# Allegro board reServer industrial J401 Carrier Board v11.brd (continued)
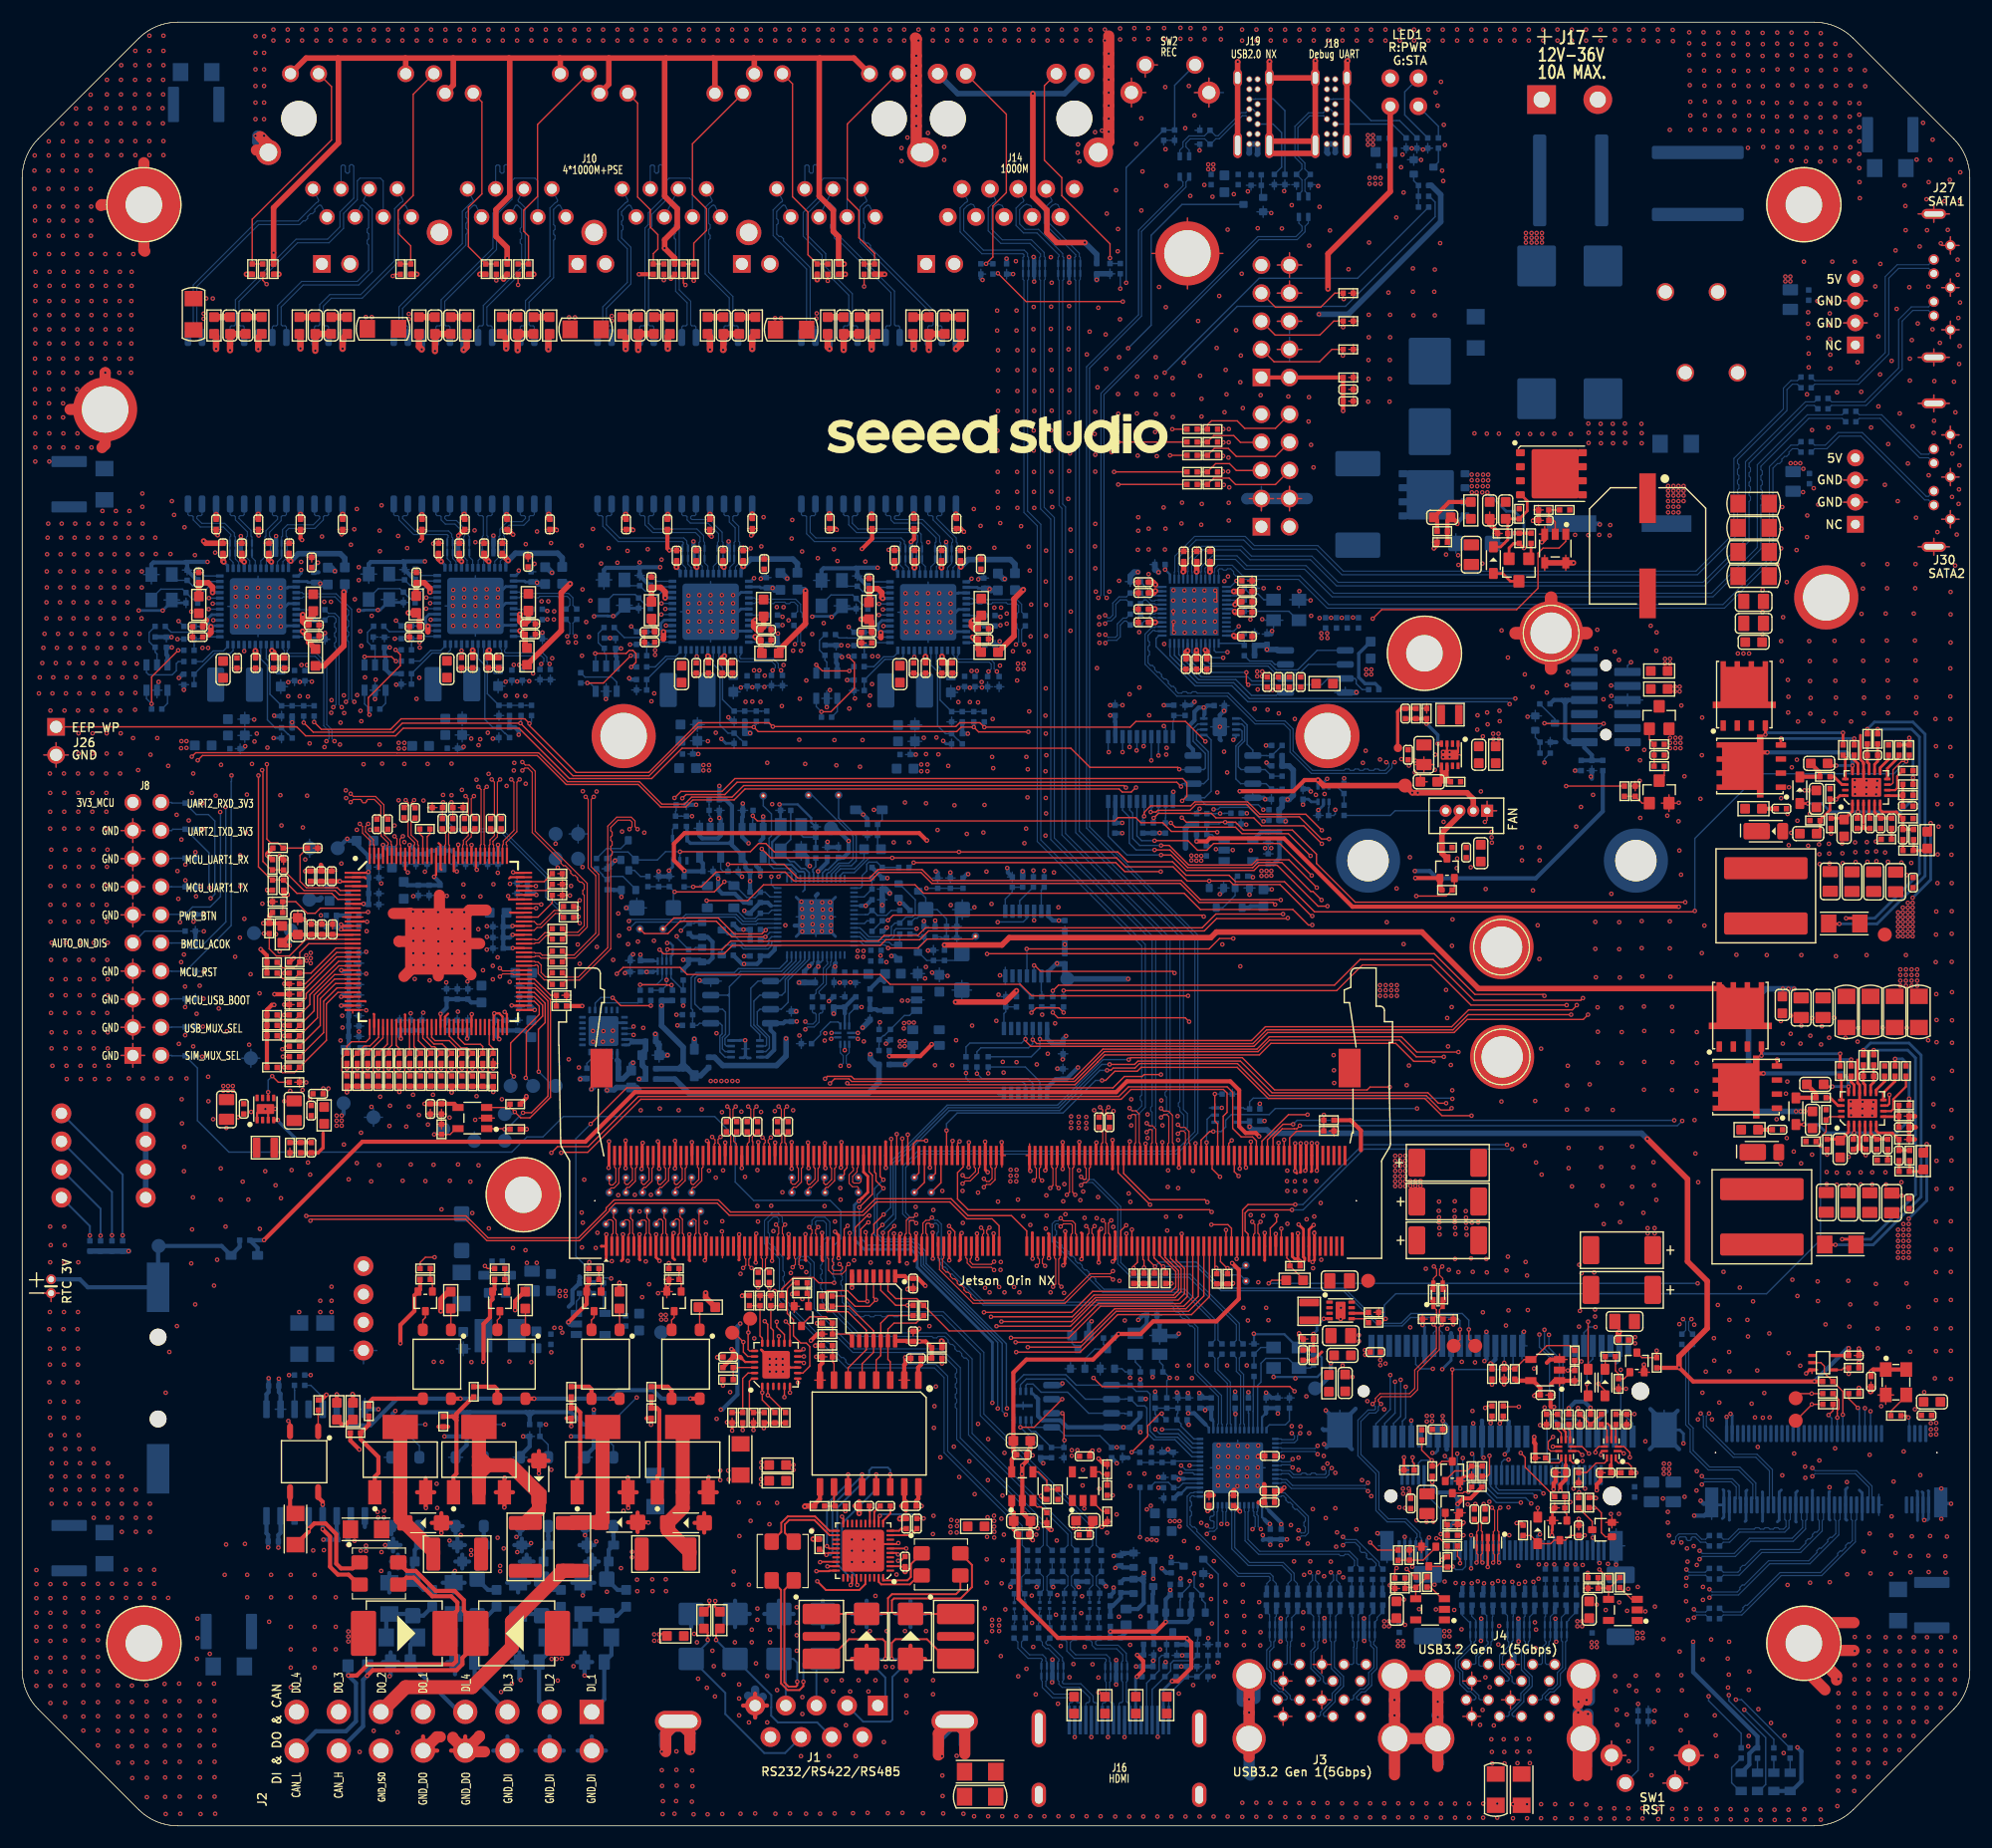
[diagram p0: board, top side]
## Routing (per net, layer and track width the routed paths; a pad name or vN(x,y) marks a point on that pad's centre or on a via; arc(x,y) is an arc through that point) (continued)
  LAY4 w0.084: v1(54.88,90.07) 55.13,90.32 55.13,90.73 58.61,94.21 61.81,94.21 67.78,100.18 86.5,100.18 87.58,101.26 87.58,104.06 v1(87.32,104.32)
  BOTTOM w0.107: U71.26 84.12,105.82 84.24,105.7 84.24,105.43 84.5,105.16 87.39,105.16 87.57,104.99 87.57,104.56 v1(87.32,104.32) 87.32,104.27 87.24,104.19 R537.1
DPCIE1_REFCLK3_P: length 66.5
  TOP w0.107: v1(55.61,90.07) 55.38,90.3 55.38,90.82 55.04,91.15 53.73,91.15 52.92,90.34 52.92,79.36 50.25,76.7 49.21,76.7 R528.1
  LAY4 w0.084: v1(88.08,104.32) 87.82,104.06 87.82,101.16 86.6,99.94 67.88,99.94 61.91,93.97 58.71,93.97 55.36,90.63 55.36,90.32 v1(55.61,90.07)
  BOTTOM w0.107: R536.1 88.28,104.07 88.08,104.27 v1(88.08,104.32) 87.83,104.56 87.83,105.1 87.5,105.43 84.61,105.43 84.5,105.54 84.5,105.7 84.62,105.82 U71.25
DPCIE1_RX1_N: length 29.4
  TOP w0.107: U63.98 43.41,88.62 43.47,88.69 43.47,88.99 44.44,89.96 44.44,94.32 v1(44.2,94.57)
  LAY4 w0.084: v1(47.46,109.03) 47.19,109.29 46.91,109.29 46.56,108.95 46.56,107.75 48.53,105.77 48.53,104.14 47.55,103.16 47.55,94.63 46.21,93.29 44.9,93.29 44.46,93.74 44.46,94.31 v1(44.2,94.57)
  BOTTOM w0.107: v1(47.46,109.03) 47.43,109.01 C133.1
DPCIE1_RX1_P: length 29.3
  TOP w0.107: U63.97 43.81,88.62 43.74,88.69 43.74,88.88 44.71,89.85 44.71,94.32 v1(44.95,94.57)
  LAY4 w0.084: v1(47.46,109.79) 47.19,109.53 46.81,109.53 46.32,109.04 46.32,107.65 48.3,105.67 48.3,104.24 47.31,103.25 47.31,95.59 47.19,95.46 47.19,95.16 47.31,95.03 47.31,94.72 46.73,94.14 46.55,94.14 46.33,93.92 46.33,93.74 46.11,93.53 45,93.53 44.69,93.83 44.69,94.31 v1(44.95,94.57)
  BOTTOM w0.107: v1(47.46,109.79) 47.46,109.84 47.35,109.95 C115.1
DPCIE1_RX2_N: length 48.9
  TOP w0.107: U63.103 41.41,88.62 41.47,88.69 41.47,93.65 v1(41.23,93.9)
  LAY4 w0.084: v1(41.23,93.9) 41.49,93.64 41.49,92.23 42.15,91.57 48.33,91.57 49.34,92.59 49.34,102.18 54.48,107.32 64.74,107.32 65.5,108.08 67.17,108.08 67.86,108.77 68.45,108.77 v1(68.71,108.51)
  BOTTOM w0.107: v1(68.71,108.51) 68.68,108.48 C231.1
DPCIE1_RX2_P: length 48.9
  TOP w0.107: v1(41.99,93.9) 41.74,93.65 41.74,88.69 41.81,88.62 U63.102
  LAY4 w0.084: v1(41.99,93.9) 41.73,93.64 41.73,93.3 41.85,93.18 41.85,92.87 41.73,92.75 41.73,92.33 42.25,91.81 42.55,91.81 42.68,91.93 42.99,91.93 43.11,91.81 48.23,91.81 49.11,92.68 49.11,102.28 54.38,107.55 64.64,107.55 65.4,108.32 67.08,108.32 67.76,109 68.45,109 v1(68.71,109.26)
  BOTTOM w0.107: C230.1 68.6,109.42 68.71,109.31 v1(68.71,109.26)
DPCIE1_RX3_N: length 66.1
  TOP w0.107: v1(34.4,89.43) 34.14,89.17 34.14,88.69 34.21,88.62 U63.121
  LAY4 w0.084: v1(88.4,108.5) 88.14,108.76 86.86,108.76 86.02,107.92 85.08,107.92 84.39,107.23 75.96,107.23 75.84,107.11 75.53,107.11 75.4,107.23 75.1,107.23 74.97,107.11 74.67,107.11 74.54,107.23 74.08,107.23 73.95,107.11 73.64,107.11 73.52,107.23 73.21,107.23 73.09,107.11 72.78,107.11 72.65,107.23 72.35,107.23 72.13,107.02 72.13,106.84 71.92,106.62 71.74,106.62 68.42,103.31 64.77,103.31 51.47,90.01 38.88,90.01 38.75,89.89 38.45,89.89 38.32,90.01 37.63,90.01 37.51,89.89 37.2,89.89 37.08,90.01 36.42,90.01 36.29,89.89 35.98,89.89 35.86,90.01 35.32,90.01 35.2,89.89 34.89,89.89 34.76,90.01 34.27,90.01 34.14,89.88 34.14,89.69 v1(34.4,89.43)
  BOTTOM w0.107: v1(88.4,108.5) 88.34,108.44 C491.1
DPCIE1_RX3_P: length 66
  TOP w0.107: v1(33.64,89.43) 33.87,89.2 33.87,88.69 33.81,88.62 U63.122
  LAY4 w0.084: v1(88.4,109.26) 88.14,108.99 86.76,108.99 85.92,108.16 84.98,108.16 84.29,107.47 72.25,107.47 68.32,103.54 64.67,103.54 53.82,92.69 53.64,92.69 53.42,92.48 53.42,92.3 53.21,92.08 53.03,92.08 52.81,91.87 52.81,91.69 52.6,91.47 52.42,91.47 52.2,91.25 52.2,91.08 51.99,90.86 51.81,90.86 51.59,90.64 51.59,90.46 51.38,90.25 34.18,90.25 33.91,89.98 33.91,89.69 v1(33.64,89.43)
  BOTTOM w0.107: C490.1 88.29,109.38 88.4,109.27 v1(88.4,109.26)
DPCIE1_TX1_N: length 30.7
  TOP w0.107: C394.2 42.68,91.36 42.68,94.32 v1(42.43,94.56)
  LAY4 w0.084: v1(49.25,107.49) 49.51,107.75 49.51,107.91 49.43,108 48.78,108 48.51,107.72 48.51,107.04 48.72,106.82 48.9,106.82 49.12,106.61 49.12,106.43 49.39,106.15 49.39,105.84 49.52,105.72 49.52,105.41 49.39,105.29 49.39,104.98 49.52,104.85 49.52,104.55 49.39,104.42 49.39,103.61 48.48,102.69 48.48,93.32 47.56,92.4 43.43,92.4 42.69,93.14 42.69,94.3 v1(42.43,94.56)
  BOTTOM w0.107: C291.1 49.5,108.69 49.5,107.73 v1(49.25,107.49)
DPCIE1_TX1_P: length 30.7
  TOP w0.107: C393.2 42.95,91.36 42.95,94.32 v1(43.19,94.56)
  LAY4 w0.084: v1(43.19,94.56) 42.93,94.3 42.93,93.24 43.53,92.64 43.84,92.64 43.96,92.76 44.27,92.76 44.4,92.64 44.7,92.64 44.83,92.76 45.13,92.76 45.26,92.64 45.64,92.64 45.76,92.76 46.07,92.76 46.19,92.64 47.46,92.64 48.24,93.42 48.24,102.79 49.16,103.7 49.16,106.05 48.27,106.94 48.27,107.82 48.68,108.23 49.53,108.23 49.75,108.01 49.75,107.75 v1(50.01,107.49)
  BOTTOM w0.107: C290.1 49.77,108.69 49.77,107.73 v1(50.01,107.49)
DPCIE1_TX2_N: length 49.2
  TOP w0.107: C392.2 40.32,91.36 40.32,92.82 v1(40.07,93.06)
  LAY4 w0.084: v1(69.83,106.78) 70.09,107.04 70.09,107.47 69.9,107.67 69.5,107.67 69.29,107.45 69.29,107.27 69.07,107.05 68.89,107.05 68.03,106.19 58.71,106.19 57.65,105.13 54.67,105.13 54.46,104.91 54.46,104.73 54.24,104.51 54.06,104.51 53.85,104.3 53.85,104.12 53.63,103.9 53.45,103.9 53.24,103.69 53.24,103.51 53.02,103.29 52.84,103.29 50.19,100.64 50.19,92.11 48.86,90.78 41.09,90.78 40.33,91.54 40.33,92.8 v1(40.07,93.06)
  BOTTOM w0.107: v1(69.83,106.78) 70.08,107.02 70.08,108.15 C296.1
DPCIE1_TX2_P: length 49.1
  TOP w0.107: C391.2 40.58,91.36 40.58,92.82 v1(40.83,93.06)
  LAY4 w0.084: v1(70.59,106.78) 70.33,107.04 70.33,107.57 70,107.9 69.41,107.9 67.93,106.43 58.62,106.43 57.55,105.36 54.58,105.36 49.95,100.74 49.95,92.21 48.76,91.02 43.78,91.02 43.65,91.15 43.35,91.15 43.22,91.02 42.92,91.02 42.79,91.15 42.49,91.15 42.36,91.02 42.05,91.02 41.92,91.15 41.62,91.15 41.49,91.02 41.19,91.02 40.57,91.64 40.57,92.8 v1(40.83,93.06)
  BOTTOM w0.107: v1(70.59,106.78) 70.34,107.02 70.34,108.15 C232.1
DPCIE1_TX3_N: length 77.2
  TOP w0.107: C390.2 35.51,92.02 35.4,92.13 35.28,92.13 35.17,92.24 35.17,92.45 v1(35.42,92.69)
  LAY4 w0.084: v1(35.42,92.69) 35.13,92.98 35.13,93.25 34.83,93.56 33.45,93.56 32.72,92.83 32.72,89.08 34.08,87.73 50.71,87.73 63.69,100.71 63.87,100.71 64.08,100.92 64.08,101.1 64.3,101.32 64.48,101.32 64.69,101.53 64.69,101.71 65.03,102.05 68.34,102.05 72.36,106.07 86.07,106.07 87.47,107.47 89.88,107.47 90.06,107.29 90.06,107.01 v1(89.8,106.75)
  BOTTOM w0.107: v1(89.8,106.75) 90.05,107 90.05,108.1 C493.1
DPCIE1_TX3_P: length 77
  TOP w0.107: v1(34.66,92.69) 34.9,92.45 34.9,92.26 34.77,92.13 34.63,92.13 C389.2
  LAY4 w0.084: v1(34.66,92.69) 34.9,92.93 34.9,93.15 34.73,93.32 34.42,93.32 34.3,93.2 33.99,93.2 33.86,93.32 33.55,93.32 32.96,92.73 32.96,92.33 33.09,92.2 33.09,91.9 32.96,91.77 32.96,91.47 33.09,91.34 33.09,91.04 32.96,90.91 32.96,90.6 33.09,90.48 33.09,90.17 32.96,90.05 32.96,89.18 34.18,87.96 46.91,87.96 47.03,88.09 47.34,88.09 47.46,87.96 47.77,87.96 47.9,88.09 48.2,88.09 48.33,87.96 48.72,87.96 48.84,88.09 49.15,88.09 49.28,87.96 49.58,87.96 49.71,88.09 50.01,88.09 50.14,87.96 50.61,87.96 64.94,102.29 68.24,102.29 72.26,106.31 85.98,106.31 87.37,107.71 89.98,107.71 90.3,107.39 90.3,107.01 v1(90.56,106.75)
  BOTTOM w0.107: v1(90.56,106.75) 90.31,107 90.31,108.1 C492.1
DWNRST1_L: length 44.6
  TOP w0.127: U63.5 28.74,84.53 28.49,84.78 25.69,84.78 25.11,85.36 25.11,87.69 C399.1 R517.2 23.57,88.37 23.11,88.83 22.47,88.83 22.12,89.18 v1(22.12,95.94)
  LAY3 w0.127: v1(22.12,95.94) 27.93,95.94 34.43,102.44 34.43,107.11 35.42,108.1 35.42,109.9 v1(36.52,110.99)
  BOTTOM w0.127: U30.44 v1(36.52,110.99)
DWNRST2_L: length 62.6
  TOP w0.127: v1(21.68,95.4) 21.76,95.33 21.76,87.15 22.52,86.39 R516.2 23.11,86.39 23.14,86.37 C398.1 25.47,84.53 28.29,84.53 28.69,84.13 U63.6
  LAY3 w0.127: v1(21.68,95.4) 28.03,95.4 33.28,100.65 50.42,100.65 55.9,106.12 55.9,108.99 57.37,110.47 v1(57.77,110.47)
  BOTTOM w0.127: U48.44 v1(57.77,110.47)
DWNRST3_L: length 85.3
  TOP w0.127: U63.7 28.53,83.73 27.98,84.27 24.83,84.27 C397.1 R515.2 22.55,85.47 21.35,86.67 v1(21.35,94.92)
  LAY3 w0.127: v1(21.35,94.92) 39.18,94.92 41.68,97.42 49.56,97.42 52.06,94.92 64.4,94.92 76.4,106.92 76.4,109.83 76.99,110.42 v1(77.43,110.42)
  BOTTOM w0.127: U71.44 v1(77.43,110.42)
EECLK: length 19.8
  TOP w0.127: U63.70 46.33,75.73 47.51,74.54 47.51,65.94 46.02,64.44 v1(45.25,64.44) ; 41.79,63.01 U65.1 43.54,63.01 v1(43.59,62.96) R458.2
  BOTTOM w0.127: TP68.1 43.59,61.94 v1(43.59,62.96) 43.77,62.96 v1(45.25,64.44)
EEP_EECLK: length 5
  BOTTOM w0.127: U37.4 11.24,104.23 11.45,104.02 13.56,104.02 13.94,104.4 13.94,105.03 14.12,105.22 R221.2
EEP_EECLK_31552004: length 4.2
  TOP w0.127: v1(30.94,105.65) 33.38,105.65 v1(33.78,105.25)
  BOTTOM w0.127: R416.2 34.25,105.25 v1(33.78,105.25) ; U52.4 v1(30.94,105.65)
EEP_EECLK_31557371: length 6.9
  TOP w0.127: v1(55.03,104.72) 55.47,105.16 55.47,105.94 55.19,106.22 54.85,106.22 54.58,105.95 v1(51.78,105.95)
  BOTTOM w0.127: v1(51.78,105.95) 51.83,105.9 U55.4 ; R364.2 55.5,104.72 v1(55.03,104.72)
EEP_EECLK_31560001: length 4.5
  TOP w0.127: v1(71.76,104.92) 72.31,104.37 v1(74.74,104.37)
  BOTTOM w0.127: U72.4 v1(71.76,104.92) ; R587.2 75.13,104.76 v1(74.74,104.37)
EEP_EECS: length 4
  BOTTOM w0.127: U37.5 12.19,105.9 12.02,106.07 R231.1 11.97,106.51 11.47,107.01 11.47,107.85 R234.2
EEP_EECS_31552005: length 4
  BOTTOM w0.127: U52.5 31.89,106.34 R557.1 31.68,106.51 31.21,106.99 31.21,107.86 R271.2
EEP_EECS_31557372: length 4
  BOTTOM w0.127: U55.5 52.78,105.81 52.61,105.97 R582.1 52.56,106.41 52.06,106.91 52.06,107.77 R359.2
EEP_EECS_31560002: length 4
  BOTTOM w0.127: U72.5 72.71,105.17 72.54,105.34 R606.1 72.53,105.78 72.05,106.25 72.05,107.14 R584.2
EEP_EEDIO: length 8.2
  TOP w0.127: v1(11.7,101.4) 11.7,103.83 v1(14.1,106.23)
  BOTTOM w0.127: U37.3 11.24,101.86 v1(11.7,101.4) R229.1 ; R223.2 v1(14.1,106.23)
EEP_EEDIO_31552000: length 10.2
  TOP w0.127: v1(33.75,106.28) 34.17,105.85 34.17,104.85 31.28,101.96 31.28,100.51 v1(31.39,100.41)
  BOTTOM w0.127: R415.2 v1(33.75,106.28) ; U52.3 30.94,101.39 R556.1 31.4,100.48 31.39,100.46 v1(31.39,100.41)
EEP_EEDIO_31557367: length 7.3
  TOP w0.127: v1(55,105.75) 52.53,103.28 v1(51.07,103.28)
  BOTTOM w0.127: U55.3 51.83,102.75 51.3,103.28 v1(51.07,103.28) R581.1 ; R363.2 v1(55,105.75)
EEP_EEDIO_31559997: length 9.4
  TOP w0.127: v1(74.66,105.7) 74.66,105.68 75.2,105.13 75.2,102.8 73.09,100.68 v1(72.22,100.68)
  BOTTOM w0.127: U72.3 71.76,101.14 v1(72.22,100.68) R605.1 ; R586.2 v1(74.66,105.7)
EEPD: length 20.1
  TOP w0.127: U65.3 43.78,64.92 R459.2 44.09,64.95 v1(44.52,64.52) 45.05,63.99 45.88,63.99 47.74,65.84 47.74,74.66 46.27,76.13 U63.71
  BOTTOM w0.127: TP69.1 44.33,64.33 v1(44.52,64.52)
EN: length 9.3
  TOP w0.127: R446.2 D79.2 107.66,121.79 109.07,121.79 109.65,121.21 113.25,121.21 J25.6
EN_1V2: length 1.7
  TOP w0.127: U14.5 121.3,45.83 R77.2
EN_DC1: length 5.2
  TOP w0.254: C130.1 162.47,89.97 R181.1 162.47,90.91 163.36,91.8 R185.2 163.4,92.76 v1(163.92,92.76) 164.26,93.1 U31.20
ETH_LED0: length 41.9
  TOP w0.127: v1(22.09,139.32) 21.74,139.67 R167.1
  LAY3 w0.127: v1(22.09,139.32) 14.29,139.32 11.83,136.86 11.83,117.73 14.14,115.42 v1(14.14,108.88)
  BOTTOM w0.127: R235.2 v1(14.14,108.88)
ETH_LED0_31552017: length 42.1
  TOP w0.127: R554.1 v1(42.85,139.66)
  LAY3 w0.127: v1(42.85,139.66) 35.74,139.66 31.16,135.08 31.16,111.54 v1(33.78,108.92)
  BOTTOM w0.127: R270.2 v1(33.78,108.92)
ETH_LED0_31557384: length 39.7
  TOP w0.127: R579.1 v1(57.99,139.68)
  LAY3 w0.127: v1(57.99,139.68) 55.35,139.68 49.65,133.99 49.65,113.78 v1(55.03,108.39)
  BOTTOM w0.127: R358.2 v1(55.03,108.39)
ETH_LED0_31560014: length 37.3
  TOP w0.127: R603.1 v1(72.8,139.62)
  LAY3 w0.127: v1(74.69,108.35) 68.04,115 68.04,134.27 72.8,139.02 v1(72.8,139.62)
  BOTTOM w0.127: R583.2 v1(74.69,108.35)
ETH_LED1: length 57.9
  TOP w0.127: R172.1 33.65,140.22 v1(33.49,140.06)
  LAY3 w0.127: v1(14.04,107.24) 14.62,107.82 14.62,115.78 12.23,118.16 12.23,136.65 14.14,138.56 22.34,138.56 26.76,142.98 31.95,142.98 33.49,141.43 v1(33.49,140.06)
  BOTTOM w0.127: v1(14.04,107.24) 14.61,107.24 R232.2
ETH_LED1_31552019: length 46
  TOP w0.127: R553.1 v1(44.81,139.25)
  LAY3 w0.127: v1(33.68,107.28) 34.36,107.96 34.36,109.25 31.39,112.22 31.39,134.98 35.66,139.25 v1(44.81,139.25)
  BOTTOM w0.127: v1(33.68,107.28) 34.25,107.28 R414.2
ETH_LED1_31557386: length 43.6
  TOP w0.127: v1(59.94,139.25) 59.75,139.43 R578.1
  LAY3 w0.127: v1(54.93,106.76) 55.52,107.34 55.52,108.74 49.88,114.38 49.88,133.86 55.26,139.25 v1(59.94,139.25)
  BOTTOM w0.127: R360.2 55.51,106.76 v1(54.93,106.76)
ETH_LED1_31560016: length 41.9
  TOP w0.127: R602.1 v1(76.08,139.11)
  LAY3 w0.127: v1(74.62,106.66) 75.1,107.14 75.1,108.74 68.32,115.52 68.32,134.01 73.42,139.11 v1(76.08,139.11)
  BOTTOM w0.127: v1(74.62,106.66) 74.62,106.67 R585.2
FAN_PWM: length 38.9
  TOP w0.127: v1(116.15,64.27) 114.42,64.27 112.03,61.88 J9.230
  LAY3 w0.127: v1(118.66,91.83) 116.02,89.19 116.02,72.67 117.9,70.79 117.9,66.17 116.15,64.42 v1(116.15,64.27)
  BOTTOM w0.127: v1(118.66,91.83) 118.66,91.43 118.53,91.31 R86.1 118.05,92.01 118.09,92.05 U17.4
FAN_PWM_Q*: length 9.4
  BOTTOM w0.127: J7.4 124.06,91.73 123.64,91.31 R90.2
FAN_TACH: length 46.3
  TOP w0.127: J9.208 106.53,61.97 107.31,62.75 v1(107.64,62.75) ; Q6.2 129.42,84.77 R103.2 128.67,84.03 v1(125.98,84.03)
  LAY3 w0.127: v1(126.04,64.83) 126.04,83.96 v1(125.98,84.03)
  BOTTOM w0.127: v1(126.04,64.83) 113.24,64.83 112.69,64.28 109.27,64.28 108.76,63.77 108.76,63.16 108.35,62.75 v1(107.64,62.75)
FAN_TACH_CON: length 5.2
  TOP w0.508: J7.3 129.88,91.33 128.29,89.74 R93.2 128.29,87.89 Q6.3
FB_0.8V_DC1: length 5
  TOP w0.254: R173.2 C124.2 169.94,90.05 R174.1 169.36,91.62 168.09,91.62 167.89,91.82 U31.6
FB_0.8V_DC2: length 5
  TOP w0.254: U25.6 167.54,62.81 167.73,62.61 169,62.61 R180.1 169.59,61.05 C131.2 R186.2
FORCE_OFF*: length 14.8
  TOP w0.127: v1(63.46,85.32) 62.54,84.4 v1(58.96,84.4)
  BOTTOM w0.127: D32.2 58.85,84.29 v1(58.96,84.4) 58.49,84.88 C87.1 R118.1 R119.2 ; v1(63.46,85.32) 63.97,85.32 D29.1 64.42,84.96 65.49,83.9 66.22,83.9 R126.2 67.14,84.38 67.57,83.95 U23.12
FORCE_RECOVERY*: length 112.3
  TOP w0.127: J9.214 108.03,62.58 108.03,62.59 108.03,63.43 107.78,63.68 v1(107.78,66.14)
  LAY3 w0.127: v1(107.78,66.14) 107.78,75.71 105.66,77.83 105.66,85.53 107.05,86.93 107.05,96.75 107.71,97.41 107.71,101.12 101.92,106.91 101.92,112.5 102.23,112.8 102.23,119.56 107.71,125.05 107.71,131.5 v1(99.76,139.45)
  BOTTOM w0.127: D43.2 107.79,66.13 v1(107.78,66.14) ; SW2.1 104.14,157.29 D54.2 C200.1 99.76,149.86 v1(99.76,139.45)
FREQ_DC1: length 2.8
  TOP w0.203: U31.8 169.25,93.6 169.44,93.78 169.44,94.85 R190.1
FREQ_DC2: length 4.4
  TOP w0.203: R182.1 170.22,66.8 169.08,65.66 169.08,64.77 168.9,64.59 U25.8
GANG_PWR: length 5.1
  BOTTOM w0.127: U8.32 104.9,30.96 104.5,30.56 R52.1 103.58,31.04 102.35,31.04 101.94,30.62 R566.1
GBE_LED_ACT: length 86.5
  TOP w0.127: J9.194 v1(103.03,61.78)
  LAY3 w0.127: v1(103.03,61.78) 103.51,62.26 103.51,81.74 104.28,82.51 104.28,89.99 105.4,91.11 105.4,102.42 101.38,106.45 101.38,119.23 105.4,123.26 105.4,132.75 v1(99.23,138.92)
  BOTTOM w0.127: R253.1 v1(99.23,138.92)
GBE_LED_LINK: length 97.9
  TOP w0.127: v1(101.52,61.65) 101.53,61.63 J9.188 ; v1(88.17,140.3) 90.73,137.75 v1(99.46,137.75)
  LAY3 w0.127: v1(99.46,137.75) 99.46,137.09 104.71,131.83 104.71,123.54 100.04,118.87 100.04,106.81 104.71,102.14 104.71,96.25 100.93,92.47 100.93,89.14 101.22,88.85 101.22,61.95 v1(101.52,61.65)
  BOTTOM w0.127: R252.1 88.1,140.23 v1(88.17,140.3)
GBE_MDI0_N: length 98.6
  TOP w0.102: J9.184 100.53,61.65 100.62,61.74 100.62,64.19 100.52,64.3 100.31,64.3 v1(100.07,64.05)
  BOTTOM w0.102: v1(100.07,64.05) 100.31,64.3 100.86,64.3 101.49,64.92 101.49,79.66 92.05,89.1 92.05,117.62 90.85,118.82 90.85,139.66 90.94,139.75 U61.4 U61.7 90.94,141.74 90.85,141.82 90.85,142.1 90.56,142.39 86.86,142.39 85.08,144.17 85.08,146.08 85.41,146.41 85.73,146.57 85.97,146.48 86.32,145.78 J14.3
GBE_MDI0_P: length 98.7
  TOP w0.102: v1(100.07,64.86) 100.31,64.62 100.65,64.62 100.94,64.33 100.94,61.74 101.03,61.65 J9.186
  BOTTOM w0.102: v1(100.07,64.86) 100.31,64.62 100.73,64.62 101.17,65.06 101.17,65.48 101.04,65.61 101.04,65.92 101.17,66.04 101.17,79.52 91.73,88.96 91.73,117.49 90.53,118.69 90.53,139.66 90.44,139.75 U61.5 U61.6 90.44,141.74 90.53,141.82 90.53,141.97 90.42,142.07 86.73,142.07 84.76,144.04 84.76,146.21 85.22,146.67 85.39,146.76 85.44,146.9 J14.2
GBE_MDI1_N: length 96.8
  TOP w0.102: v1(101.62,62.69) 101.86,62.93 102.02,62.93 102.12,62.83 102.12,61.74 102.03,61.65 J9.190
  BOTTOM w0.102: v1(101.62,62.69) 101.86,62.93 102.14,62.93 102.43,63.23 102.43,80.11 93.27,89.27 93.27,118.23 92.35,119.15 92.35,139.66 92.44,139.75 U61.1 U61.10 92.44,141.74 92.35,141.82 92.35,142.19 91.21,143.33 88.57,143.33 87.62,144.27 87.62,146.08 87.95,146.41 88.22,146.54 88.55,146.43 88.87,145.8 J14.5
GBE_MDI1_P: length 97
  TOP w0.102: J9.192 102.53,61.65 102.44,61.74 102.44,62.97 102.15,63.26 101.86,63.26 v1(101.62,63.5)
  BOTTOM w0.102: v1(101.62,63.5) 101.86,63.26 102,63.26 102.11,63.36 102.11,64.49 101.98,64.62 101.98,64.92 102.11,65.05 102.11,79.98 92.95,89.14 92.95,118.09 92.03,119.01 92.03,139.66 91.94,139.75 U61.2 U61.9 91.94,141.74 92.03,141.82 92.03,142.05 91.07,143 88.43,143 87.3,144.14 87.3,146.21 87.76,146.67 87.93,146.76 87.98,146.9 J14.4
GBE_MDI2_N: length 95.7
  TOP w0.102: v1(102.92,64.02) 103.16,64.27 103.44,64.27 103.62,64.09 103.62,61.74 103.53,61.65 J9.196
  BOTTOM w0.102: v1(102.92,64.02) 103.16,64.27 103.44,64.27 103.73,64.56 103.73,80.24 94.29,89.68 94.29,119.19 94.03,119.46 94.03,139.66 94.11,139.75 U60.4 U60.7 94.11,141.74 94.03,141.82 94.03,142.09 91.84,144.27 90.62,144.27 90.14,144.76 90.14,146.05 90.49,146.41 90.77,146.55 91.15,146.42 91.43,145.86 J14.7
GBE_MDI2_P: length 95.8
  TOP w0.102: J9.198 104.03,61.65 103.94,61.74 103.94,64.23 103.58,64.59 103.16,64.59 v1(102.92,64.84)
  BOTTOM w0.102: J14.6 90.52,146.9 90.47,146.76 90.3,146.67 89.81,146.19 89.81,144.63 90.49,143.95 91.7,143.95 93.7,141.95 93.7,141.82 93.61,141.74 U60.6 U60.5 93.61,139.75 93.7,139.66 93.7,119.32 93.96,119.06 93.96,89.55 103.4,80.1 103.4,66.42 103.28,66.3 103.28,65.99 103.4,65.86 103.4,64.69 103.3,64.59 103.16,64.59 v1(102.92,64.84)
GBE_MDI3_N: length 94.6
  TOP w0.102: J9.202 105.03,61.65 105.12,61.74 105.12,62.62 104.94,62.79 104.69,62.79 v1(104.44,62.55)
  BOTTOM w0.102: v1(104.44,62.55) 104.69,62.79 105,62.79 105.3,63.09 105.3,64.37 104.94,64.73 104.94,80.47 95.53,89.89 95.53,139.66 95.61,139.75 U60.1 U60.10 95.61,141.74 95.53,141.82 95.53,142.11 92.67,144.97 92.67,146.02 93.08,146.43 93.37,146.58 93.6,146.5 93.95,145.8 J14.9
GBE_MDI3_P: length 94.7
  TOP w0.102: v1(104.44,63.36) 104.69,63.12 105.08,63.12 105.44,62.75 105.44,61.74 105.53,61.65 J9.204
  BOTTOM w0.102: v1(104.44,63.36) 104.69,63.12 104.86,63.12 104.97,63.22 104.97,64.24 104.61,64.59 104.61,64.9 104.49,65.02 104.49,65.33 104.61,65.46 104.61,80.34 95.2,89.75 95.2,139.66 95.11,139.75 U60.2 U60.9 95.11,141.74 95.2,141.82 95.2,141.98 92.35,144.83 92.35,146.16 92.88,146.7 93.01,146.76 93.06,146.9 J14.8
GND_RS232/422/485: length 155.8
  TOP w0.178: v1(79.18,25.56) 79.09,25.46 U42.7 76.6,25.46 v1(76,24.86) ; v1(79.16,23.96) 79.4,23.96 C205.1
  TOP w0.381: D8.1 81.59,15.09 ; D8.1 80.27,13.9 ; D8.1 80.27,16.28 ; 79.86,28.47 C215.2 ; C215.2 79.86,29.33 ; C215.2 79.43,28.9 ; C215.2 79.71,29.05 U44.15 ; 71.99,29.42 72.09,29.53 U44.9 ; 75.63,29.34 C213.1 75.21,28.91 ; 76.31,13.9 D9.1 ; D9.1 76.31,16.28 ; D9.1 74.99,15.09 ; 71.97,29.41 71.59,29.03 R300.2 ; J1.5 66.23,11.95 ; J1.5 67.31,10.87 ; J1.5 66.23,9.79 ; J1.5 65.16,10.87
  TOP w0.508: C210.1 79.34,27.78 v1(79.3,27.74) ; C213.1 v1(75.63,28.24) ; v1(70.72,28.86) 70.76,28.9 R300.2
  PWR02 w0.381: 65.16,10.87 J1.5 ; J1.5 66.23,9.79 ; J1.5 67.31,10.87 ; J1.5 66.23,11.95
  LAY3 w0.508: v1(64.76,29.24) 63.72,30.28 16.4,30.28 10.43,36.25 10.43,51.41 11.17,52.15 SW3.8
  LAY4 w0.381: J1.5 67.31,10.87 ; J1.5 66.23,11.95 ; J1.5 65.16,10.87 ; J1.5 66.23,9.79
  GND05 w0.381: J1.5 67.31,10.87 ; J1.5 66.23,11.95 ; J1.5 66.23,9.79 ; J1.5 65.16,10.87
  BOTTOM w0.381: TISP2.1 80.27,20.35 ; TISP2.1 80.27,17.96 ; TISP2.1 78.95,19.15 ; TISP2.1 81.59,19.15 ; 67.06,19.15 D6.1 ; D6.1 68.39,20.35 ; D6.1 68.39,17.96 ; D6.1 69.71,19.15 ; 66.23,9.79 J1.5 65.16,10.87 ; D7.1 73.67,19.15 ; D7.1 72.35,17.96 ; D7.1 72.35,20.35 ; D7.1 71.03,19.15 ; 74.99,19.15 TISP1.1 ; TISP1.1 76.31,17.96 ; TISP1.1 77.63,19.15 ; TISP1.1 76.31,20.35 ; 64.42,17.96 D5.1 ; D5.1 63.1,19.15 ; D5.1 65.74,19.15 ; D5.1 64.42,20.35 ; 61.78,19.15 D4.1 60.46,17.96
  BOTTOM w0.508: SW3.8 SW3.7 SW3.6 SW3.5
  BOTTOM w0.762: 66.23,10.97 66.92,11.66 ; 66.23,10.97 J1.5 ; 66.23,10.97 66.23,11.13 ; 66.23,11.13 66.23,12.31 ; 66.23,11.13 65.6,11.76
  vias: v1(60.72,17.35) v1(60.98,16.59) v1(61.08,13.3) v1(61.88,12.48) v1(62.37,15.83) v1(62.5,14.43) v1(62.61,11.69) v1(63.39,13.67) v1(64.3,22.99) v1(64.28,21.8) v1(64.41,16.59) v1(64.81,26.19) v1(64.79,12.78) v1(64.79,11.51) v1(64.79,9.98) v1(65.68,21.8) v1(65.68,9.35) v1(65.83,27.56) v1(65.93,17.73) v1(65.93,16.59) v1(66.31,14.68) v1(66.44,19.64) v1(66.44,18.62) v1(66.57,29.16) v1(67.33,13.54) v1(67.33,9.35) v1(67.53,27.26) v1(67.58,17.73) v1(67.58,16.59) v1(68.22,29.19) v1(68.22,12.27) v1(69.99,19.76) v1(69.99,18.37) v1(69.99,17.22) v1(69.99,15.83) v1(70.38,6.3) v1(70.5,11.64) v1(70.5,10.11) v1(71.39,26.75) v1(72.66,13.16) v1(72.92,6.3) v1(73.3,12.14) v1(74.06,13.16) v1(74.44,9.1) v1(74.82,12.14) v1(74.98,25.88) v1(74.98,24.86) v1(74.98,23.85) v1(75.07,17.6) v1(75.33,6.3) v1(75.58,13.16) v1(76,25.88) v1(76,23.85) v1(76.47,12.14) v1(76.6,17.6) v1(77.01,25.88) v1(77.01,24.86) v1(77.01,23.85) v1(77.11,20.78) v1(77.11,13.16) v1(77.87,7.57) v1(78.04,14.38) v1(78.12,17.6) v1(78.66,14.35) v1(79.01,22.71) v1(79.77,17.6) v1(79.9,13.16) v1(79.9,11.76) v1(79.9,10.24) v1(81.68,17.6) v1(82.35,28.02) v1(82.3,26.37) v1(82.31,13.16) v1(82.31,11.89) v1(83.96,27.64) v1(83.89,27.06) v1(83.9,26.52) v1(84.47,27.09) v1(84.45,26.51) v1(84.49,27.55)
GPIO0: length 5.5
  BOTTOM w0.127: R234.1 13.46,107.87 15.03,107.87 R235.1 15.99,108.39 16.43,107.95 U38.38
GPIO0_21859572: length 5.4
  TOP w0.127: R497.2 30.76,68.23 30.76,69.37 R498.1 32.61,71.21 U63.36
GPIO0_31552012: length 5.4
  BOTTOM w0.127: U30.38 36.07,107.99 35.63,108.43 R270.1 34.67,107.92 33.18,107.92 R271.1
GPIO0_31557379: length 6
  BOTTOM w0.127: U48.38 57.32,107.47 56.88,107.91 R358.1 55.93,107.39 54.41,107.39 R359.1
GPIO0_31560009: length 5.4
  BOTTOM w0.127: R584.1 73.8,107.36 74.51,107.36 74.52,107.35 75.58,107.35 R583.1 76.54,107.86 76.98,107.42 U71.38
GPIO1: length 3.4
  BOTTOM w0.127: R223.1 15.54,106.67 R232.1 15.99,107.25 16.19,107.45 U38.37
GPIO1_21859569: length 5.9
  TOP w0.127: R499.2 29.82,68.23 29.82,69.37 R500.1 30.93,70.48 31.43,70.48 32.21,71.26 U63.35
GPIO1_31552018: length 3.4
  BOTTOM w0.127: U30.37 35.83,107.49 35.63,107.29 R414.1 35.19,106.72 35.19,106.72 R415.1
GPIO1_31557385: length 3.4
  BOTTOM w0.127: R363.1 56.44,106.19 56.44,106.19 R360.1 56.88,106.77 57.09,106.97 U48.37
GPIO1_31560015: length 3.4
  BOTTOM w0.127: R586.1 76.1,106.15 76.09,106.16 R585.1 76.48,106.67 76.74,106.92 U71.37
GPIO2: length 3.8
  BOTTOM w0.127: U38.36 18.57,106.55 18.19,106.17 17.26,106.17 16.31,105.22 R221.1
GPIO2_21859566: length 5.1
  TOP w0.127: U63.37 33.01,70.65 R504.1 31.73,69.37 31.73,68.23 R503.2
GPIO2_31552024: length 3.8
  BOTTOM w0.127: R416.1 35.95,105.26 36.91,106.21 37.83,106.21 38.21,106.59 U30.36
GPIO2_31557391: length 3.8
  BOTTOM w0.127: U48.36 59.46,106.07 59.08,105.69 58.16,105.69 57.2,104.73 R364.1
GPIO2_31560021: length 3.8
  BOTTOM w0.127: U71.36 79.12,106.02 78.74,105.64 77.85,105.64 76.96,104.76 R587.1
GPIO3: length 4.9
  TOP w0.127: U63.38 33.41,70.55 33.13,70.27 R506.1 32.67,69.37 32.67,68.23 R505.2
GPIO4: length 4.9
  TOP w0.127: U63.39 33.81,70.52 34.07,70.27 R508.1 33.61,69.37 33.61,68.25 R507.2
GPIO5: length 4.8
  TOP w0.127: U63.42 35.01,70.29 35.03,70.27 R510.1 34.57,69.37 34.57,68.25 R509.2
GPIO6: length 5
  TOP w0.127: R511.2 35.54,68.23 35.54,69.37 R512.1 35.41,70.41 U63.43
GPIO7: length 5.3
  TOP w0.127: R513.2 36.48,68.23 36.48,69.37 R514.1 35.81,70.95 U63.44
GREEN_LED: length 20.5
  TOP w0.127: J14.12 88.93,154.68 88.93,147.59 87.72,146.38 87.72,141.77 v1(87.1,141.16)
  BOTTOM w0.127: R252.2 v1(87.1,141.16) D98.2
HDD_LED1: length 137.4
  LAY3 w0.127: v1(155.62,10.49) 155.34,10.77 155.34,46.31 148.79,52.87 148.79,61.6 139.06,71.33 139.06,100.84 137.77,102.13 v1(137.77,102.42)
  LAY4 w0.127: v1(108.53,105.56) 121.43,105.56 125.39,101.59 133.56,101.59 134.38,102.42 v1(137.77,102.42)
  BOTTOM w0.127: U76.3 107.32,105.83 107.59,105.56 v1(108.53,105.56) ; R454.1 158.28,7.83 v1(155.62,10.49)
HDD_LED2: length 137.4
  LAY3 w0.127: v1(136.49,102.92) 138.83,100.58 138.83,71.23 148.56,61.5 148.56,52.77 155.11,46.22 155.11,11.66 v1(154.86,11.41)
  LAY4 w0.127: v1(108.91,106.07) 109.09,105.89 121.55,105.89 125.25,102.19 133.45,102.19 134.19,102.92 v1(136.49,102.92)
  BOTTOM w0.127: v1(154.86,11.41) 155.36,11.41 159.73,7.04 R607.1 ; U76.2 107.72,106.22 107.87,106.07 v1(108.91,106.07)
